# Altium PCB 板球系统驱动板.PcbDoc
Units mil, origin at the board's own origin, x right, y up, seen from the top; angles counter-clockwise.
Board outline 6000 x 4000 mil, 2 copper layers (Top Layer, Bottom Layer); 6 components, 6 nets, 26 pads, 0 vias.
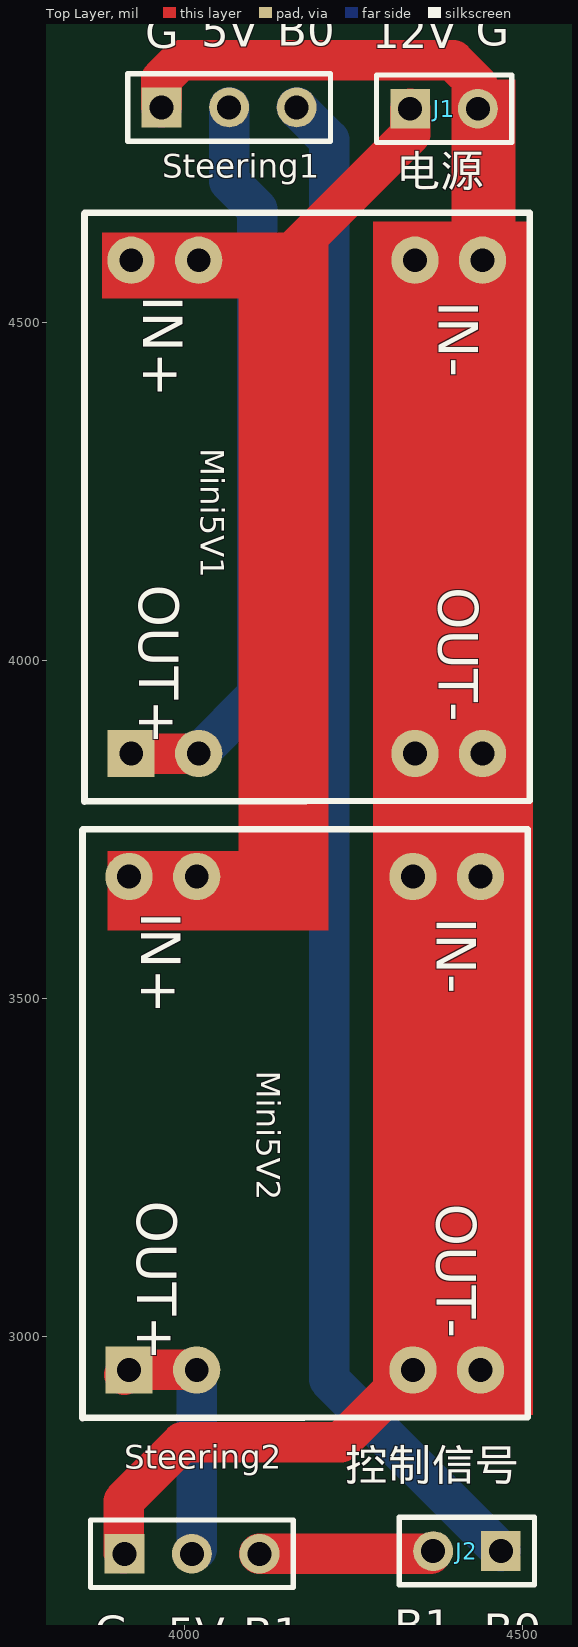
[diagram p0: Top Layer view]
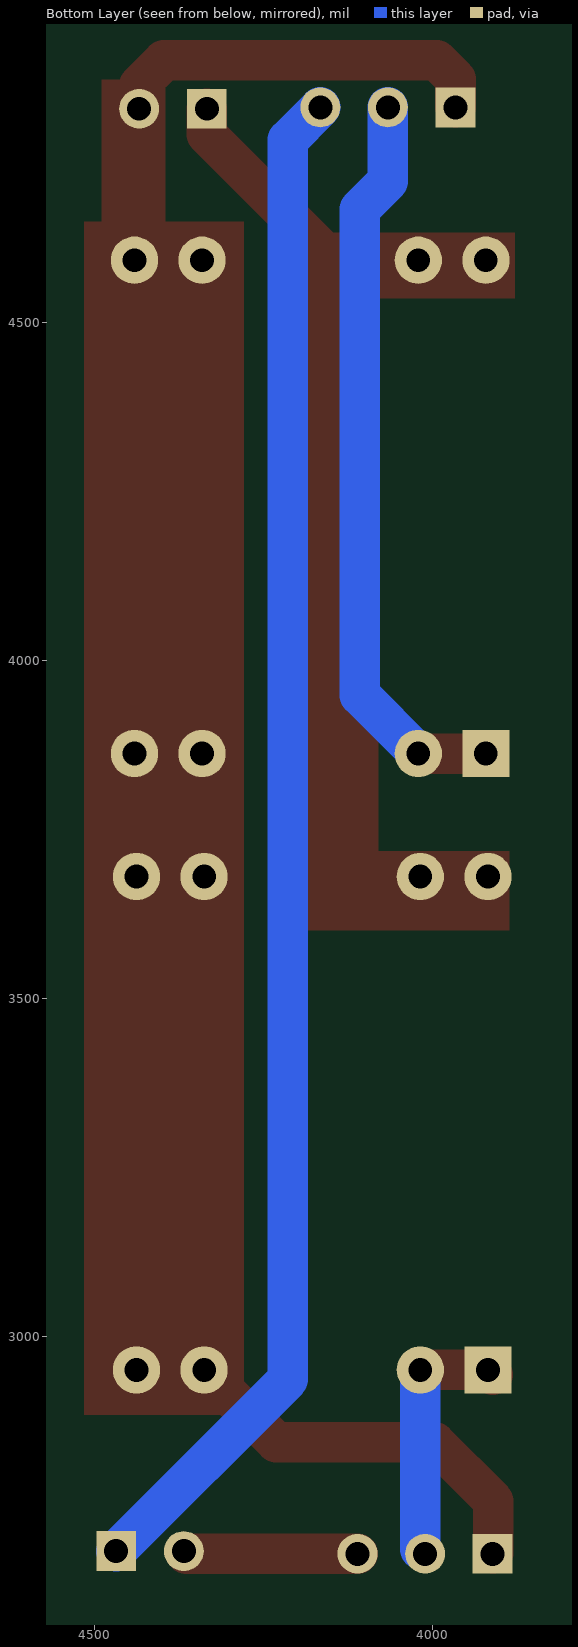
[diagram p1: Bottom Layer view, seen from below]

## Layer stack, top to bottom
Top Layer: signal copper 1.4
Dielectric: dielectric 12.6, FR-4, Dk 4.8
Bottom Layer: signal copper 1.4

## Board outline
1000,1000 7000,1000 7000,5000 1000,5000

## Design rules (kind name [scope] priority, off if disabled: settings)
Clearance [All] p1: gap=10
PolygonConnect [All] p1: connectstyle=Relief reliefconductorwidth=10 reliefentries=4 polygonreliefangle="90 Angle"
RoutingVias [All] p1: holewidth=28 width=50 viastyle="Through Hole" minholewidth=28 minwidth=50 maxholewidth=28 maxwidth=50
SilkscreenOverComponentPads [All] p1: minsilkscreentomaskgap=10
SolderMaskExpansion [All] p1: expansion=4
TestPointUsage [All] p1: valid=0 allowmultiple=FALSE
Testpoint [All] p1: side=15 testpointundercomponent=TRUE minsize=40 maxsize=100 preferedsize=60 minholesize=0 maxholesize=40 preferedholesize=32 testpointgrid=1 style=1023 order=0-112345678
Width [All] p1: maxlimit=120 minlimit=10 preferedwidth=10
23 further rules are at their usual default settings.

## Components (designator, comment, footprint, x,y, rotation, side; value= is the part's Value field where it differs from the comment)
J1 "Header 2" HDR1X2 4334,4816 r0 top
J2 "Header 2" HDR1X2 4468,2682 r180 top
Mini5V1 "5V电源模块插座，向下焊" Mini5Vpower 3921,3862 r90 top
Mini5V2 "5V电源模块插座，向下焊" Mini5Vpower 3918,2950 r90 top
Steering1 "Header 3" HDR1X3 3966,4818 r0 top
Steering2 "Header 3" HDR1X3 3911,2678 r0 top

## Footprints (in the part's own frame and the unit in brackets; to place one, negate y for a bottom-side part, rotate by r counter-clockwise, add the part's x,y. Pads: shape width x height; smd on the part's side, far side on the other; paste and mask are expansions set on the pad)
HDR1X2 [mm] "Connector; Header; 2 Position"
  rect 1.5x1.5 hole 0.9: 1(0,0)
  round 1.5 hole 0.9: 2(2.54,0)
  silkscreen extent -1.27,-1.27 3.81,1.27
HDR1X3 [mm] "Connector; Header; 3 Position"
  rect 1.5x1.5 hole 0.9: 1(0,0)
  round 1.5 hole 0.9: 2(2.54,0) 3(5.08,0)
  silkscreen extent -1.27,-1.27 6.35,1.27
Mini5Vpower [mil]
  rect 70x70 hole 35: 1(0,0)
  round 70 hole 35: 2(0,-100) 3(0,-420) 4(0,-520) 5(730,0) 6(730,-100) 7(730,-420) 8(730,-520)
  silkscreen extent -71,-590 800,69

## Part data
J1 J2: "Header, 2-Pin"
Mini5V1 Mini5V2: library part "Header 4X2A", "Header, 4-Pin, Dual row"
Steering1 Steering2: "Header, 3-Pin"

## Nets (pads, with @x,y where several pads share a name; then routed paths per layer and width w, separated by ;. In a path a pad name is that pad's centre, name@x,y a point inside that pad or via, vN(x,y) a via of type N, cw(c..) or ccw(c..) an arc to the next point about the centre after c; other vN are vias at no path point)
5VIN1: Mini5V1.1 Mini5V1.2 Steering1.2 | length 1109
  Top Layer w60: Mini5V1.1 Mini5V1.2
  Bottom Layer w60: Mini5V1.2 4107.5,3948.5 4107.5,4667.5 4066,4709 Steering1.2
5VIN2: Mini5V2.1 Mini5V2.2 Steering2.2 | length 374.9
  Top Layer w60: Mini5V2.1@3911,2943 Mini5V2.1 Mini5V2.2
  Bottom Layer w60: Steering2.2@4018,2685 Mini5V2.2
12VOUT: J1.1 Mini5V1.5 Mini5V1.6 Mini5V2.5 Mini5V2.6 | length 528
  Top Layer w60: Mini5V2.5 Mini5V2.6 ; Mini5V1.6 4148,4592 4334,4778 J1.1
B0: J2.1 Steering1.3 | length 2261.1
  Bottom Layer w60: Steering1.3 4214,4770 4214,2936 J2.1
B1: J2.2 Steering2.3 | length 253
  Top Layer w60: Steering2.3 J2.2@4364,2678
GND: J1.2 Mini5V1.3 Mini5V1.4 Mini5V1.7 Mini5V1.8 Mini5V2.3 Mini5V2.4 Mini5V2.7 Mini5V2.8 Steering1.1 Steering2.1 | length 1190.4
  Top Layer w60: Steering2.1@3910,2679 3910,2756 3997,2843 4231,2843 Mini5V2.3 ; Steering1.1 3966,4860 3993.53,4887.53 4138,4887.53 ; 4104.53,4887.53 4138,4887.53 ; J1.2 4434,4851 4397.47,4887.53 4138,4887.53

## Other copper
Top Layer:
  rectangle net 12VOUT: 3886,3600 4202,3718
  rectangle net 12VOUT: 4080,3600 4213,4625.79
  rectangle net GND: 4395,4596 4490,4859
  rectangle net GND: 4287,2898 4491,3737
  rectangle net GND: 4279,2883 4516,4649
  rectangle net 12VOUT: 3878,4535 4210,4633

## Silkscreen, mask and mechanical layers (free items; w line width, h text height)
Top Overlay:
  text "B0" at 4137,4894 h80
  text "G" at 4431,4894 h80
  text "5V" at 4025,4892 h80
  text "G" at 3942,4890 h80
  text "12V" at 4278,4890 h80
  text "电源" at 4315,4686 h80
  text "控制信号" at 4237,2771 h80
  text "B1" at 4310,2533 h80
  text "B0" at 4443,2527 h80
  text "G" at 3867,2524 h80
  text "5V" at 3975,2521 h80
  text "B1" at 4087,2521 h80

## Text inside footprints (layer, text, board x,y; h text height)
Mini5V1: Top Overlay "IN-" at 4357,4531 h100 r270; Top Overlay "OUT-" at 4357,4108 h100 r270; Top Overlay "OUT+" at 3914,4112 h100 r270; Top Overlay "IN+" at 3920,4539 h100 r270
Mini5V2: Top Overlay "IN-" at 4354,3619 h100 r270; Top Overlay "OUT-" at 4354,3196 h100 r270; Top Overlay "OUT+" at 3911,3200 h100 r270; Top Overlay "IN+" at 3917,3627 h100 r270